# Altium PCB DataDriven_PCB.PcbDoc (part 1 of 3)
Units mil, origin at the board's own origin, x right, y up, seen from the top; angles counter-clockwise.
Board outline 5198.03 x 4870.08 mil, 4 copper layers (Top, GND, PWR, Bottom), stack 59.694 mil thick; 132 components, 92 nets, 564 pads, 527 vias.
Unrouted connection lines stored in the file: 5.
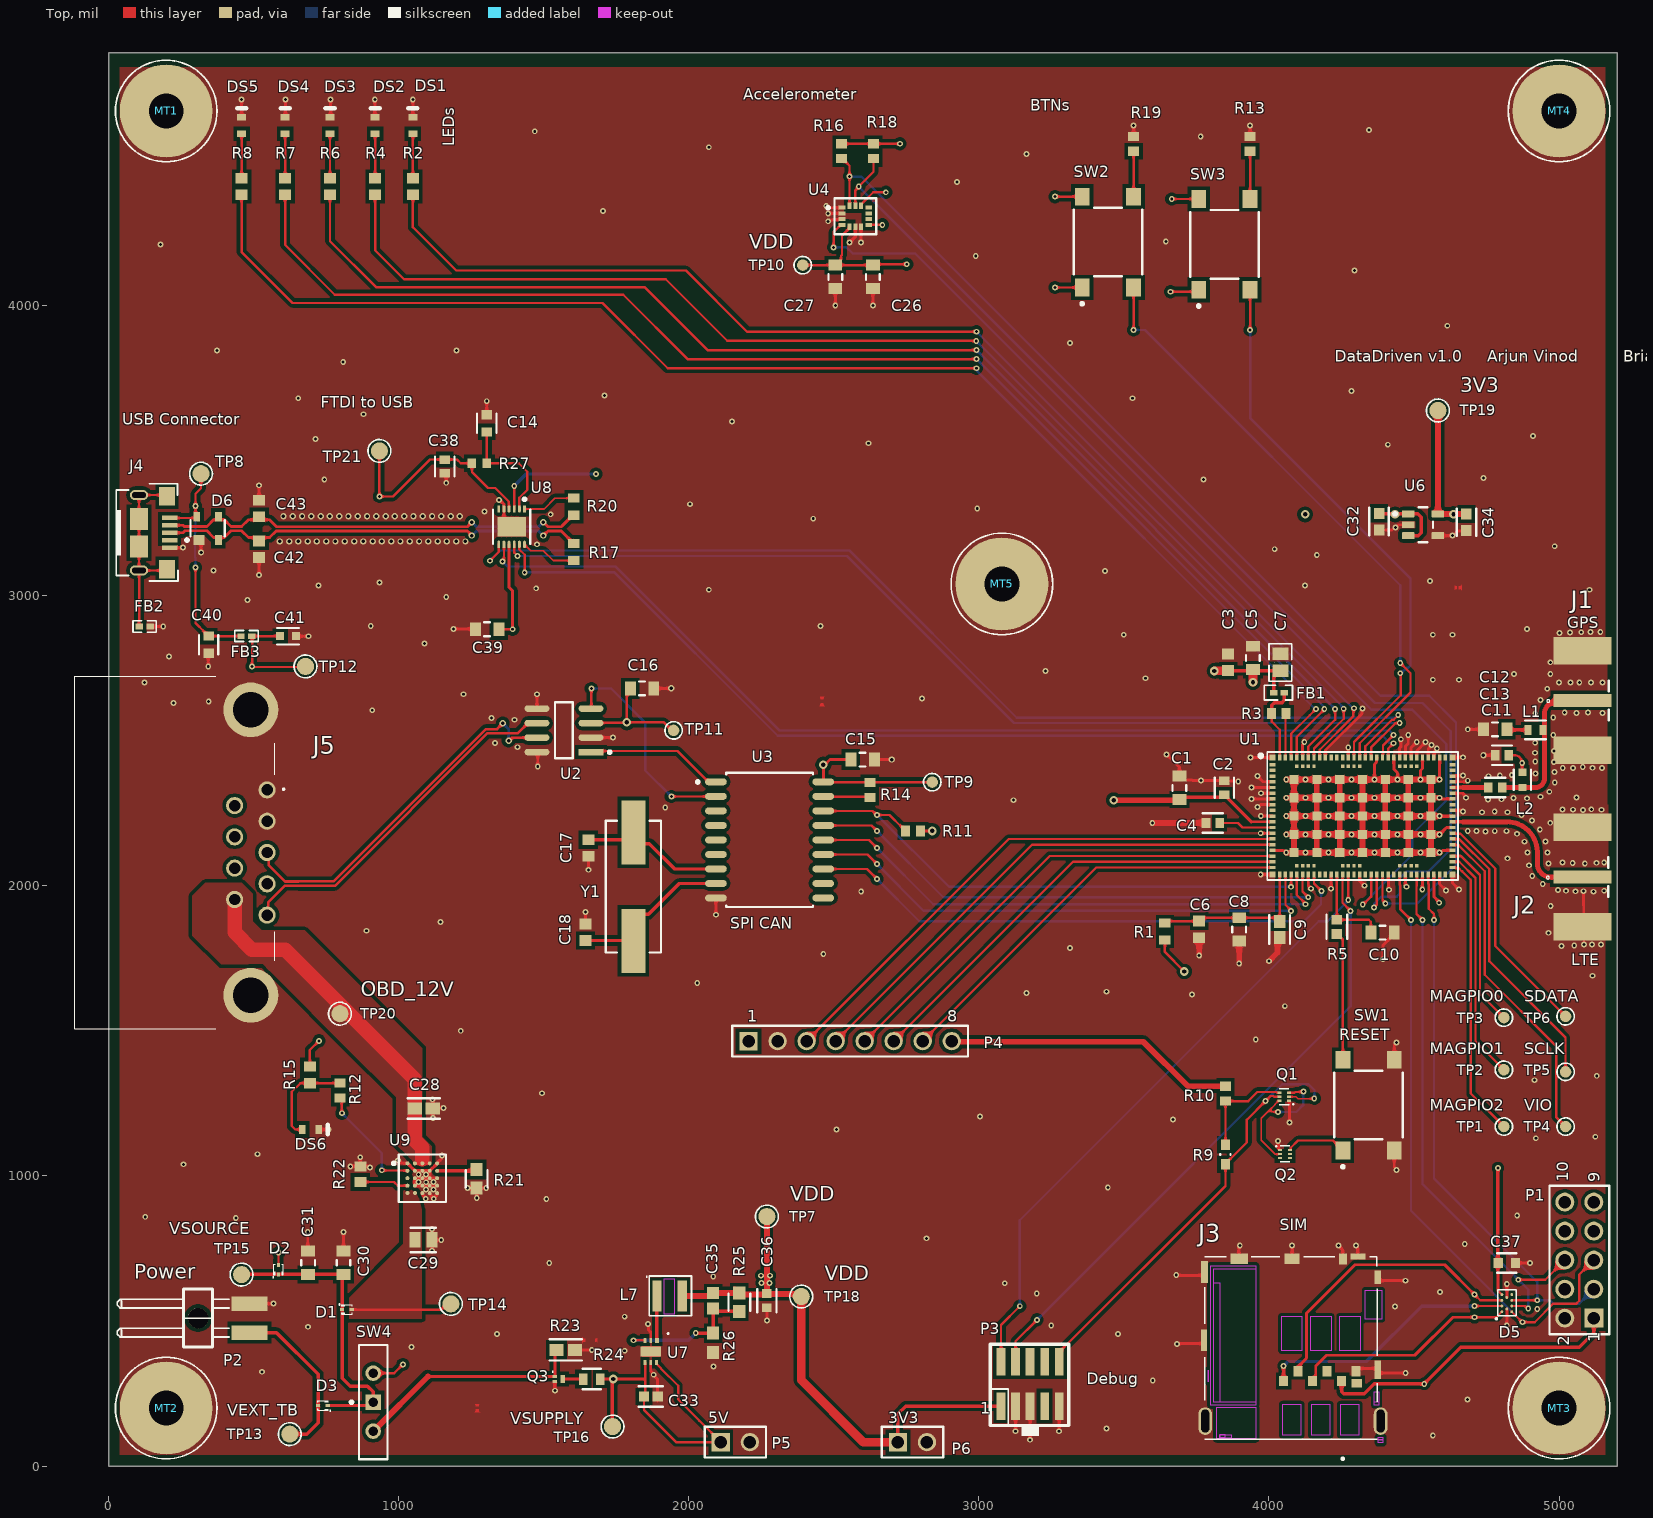
[diagram p0: Top view]
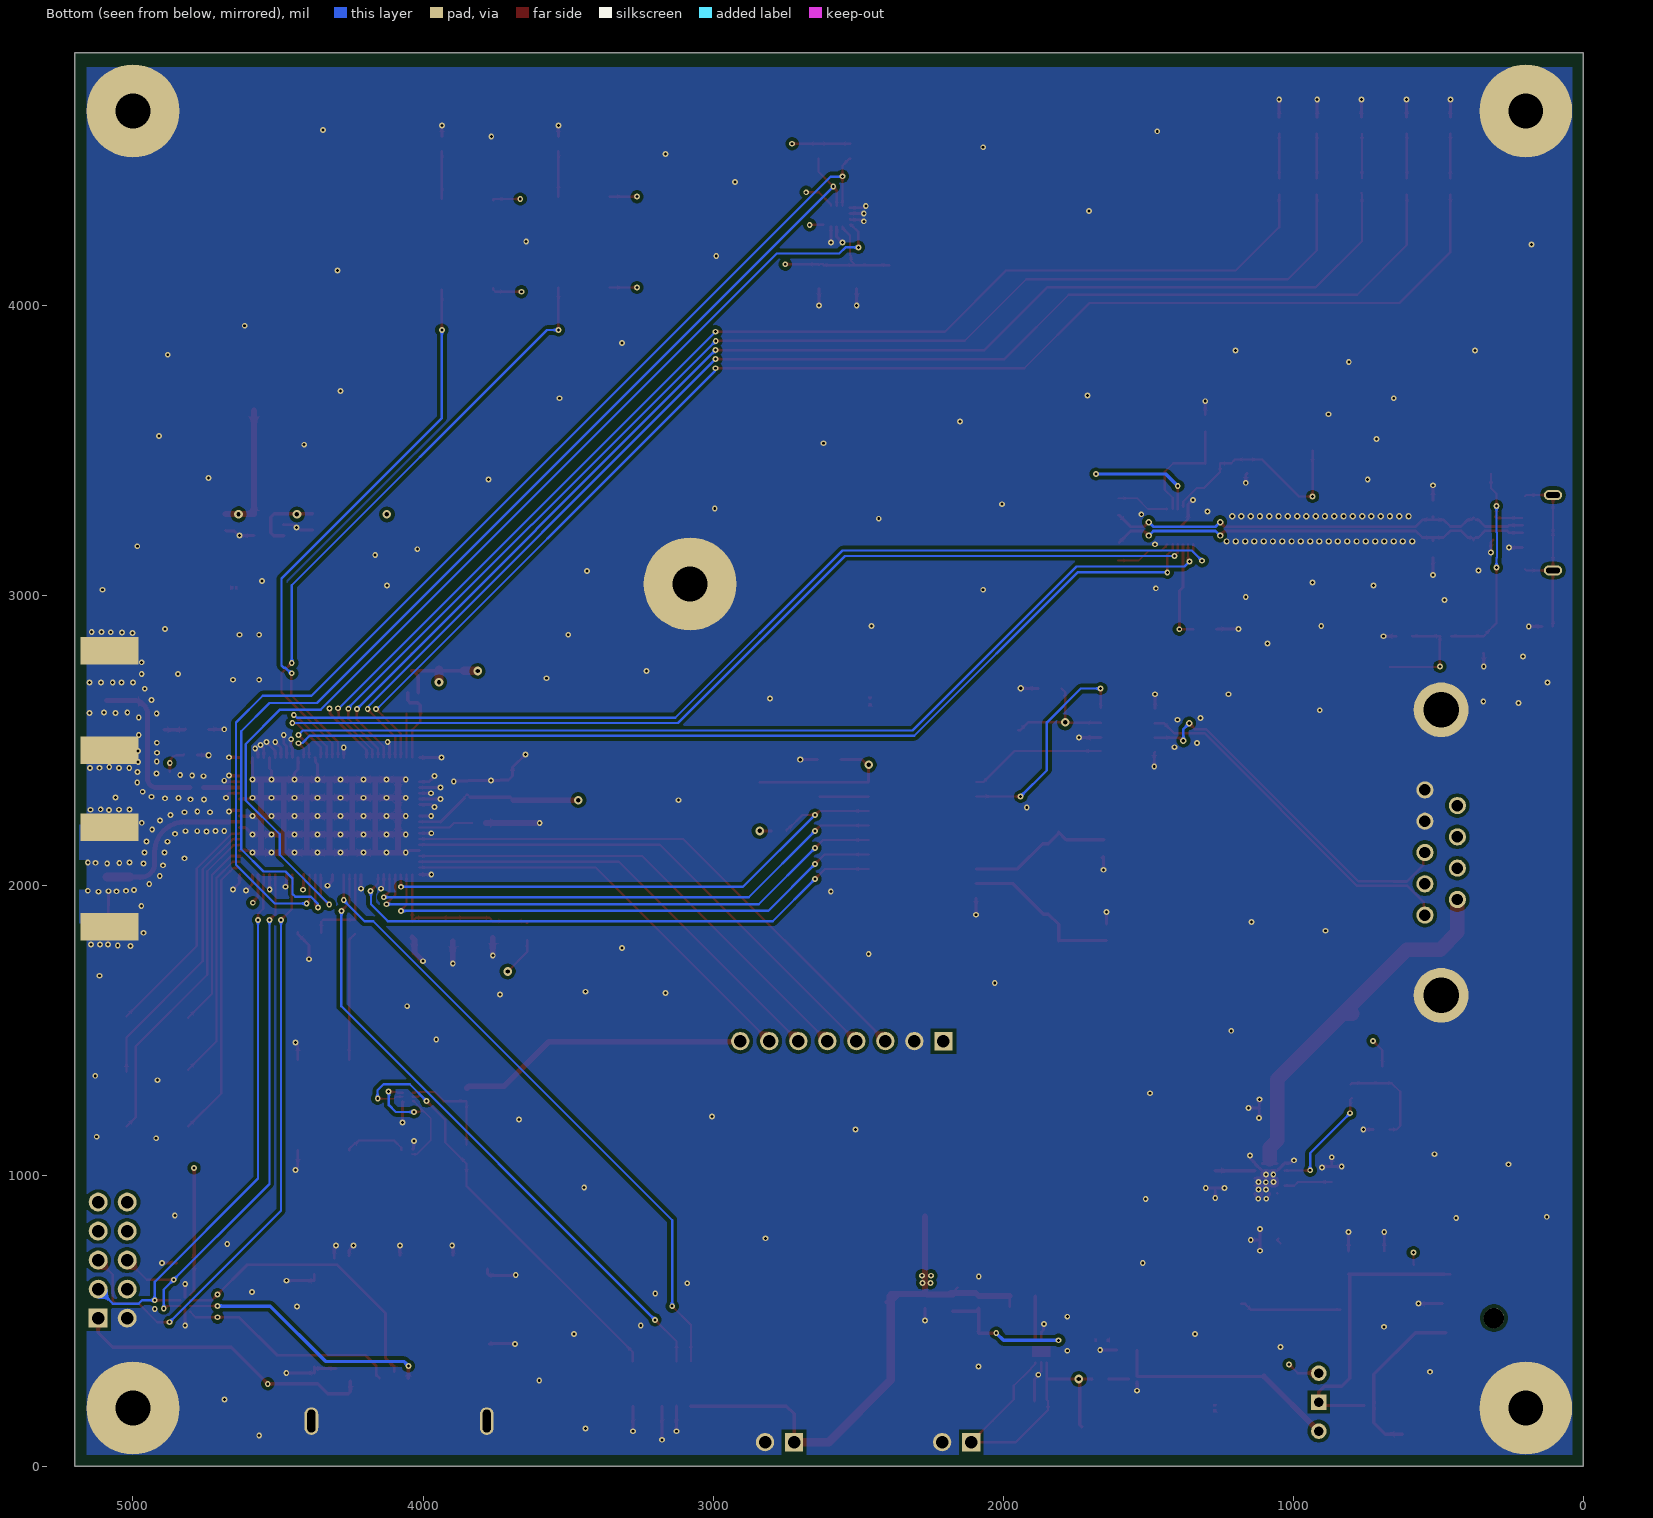
[diagram p1: Bottom view, seen from below]
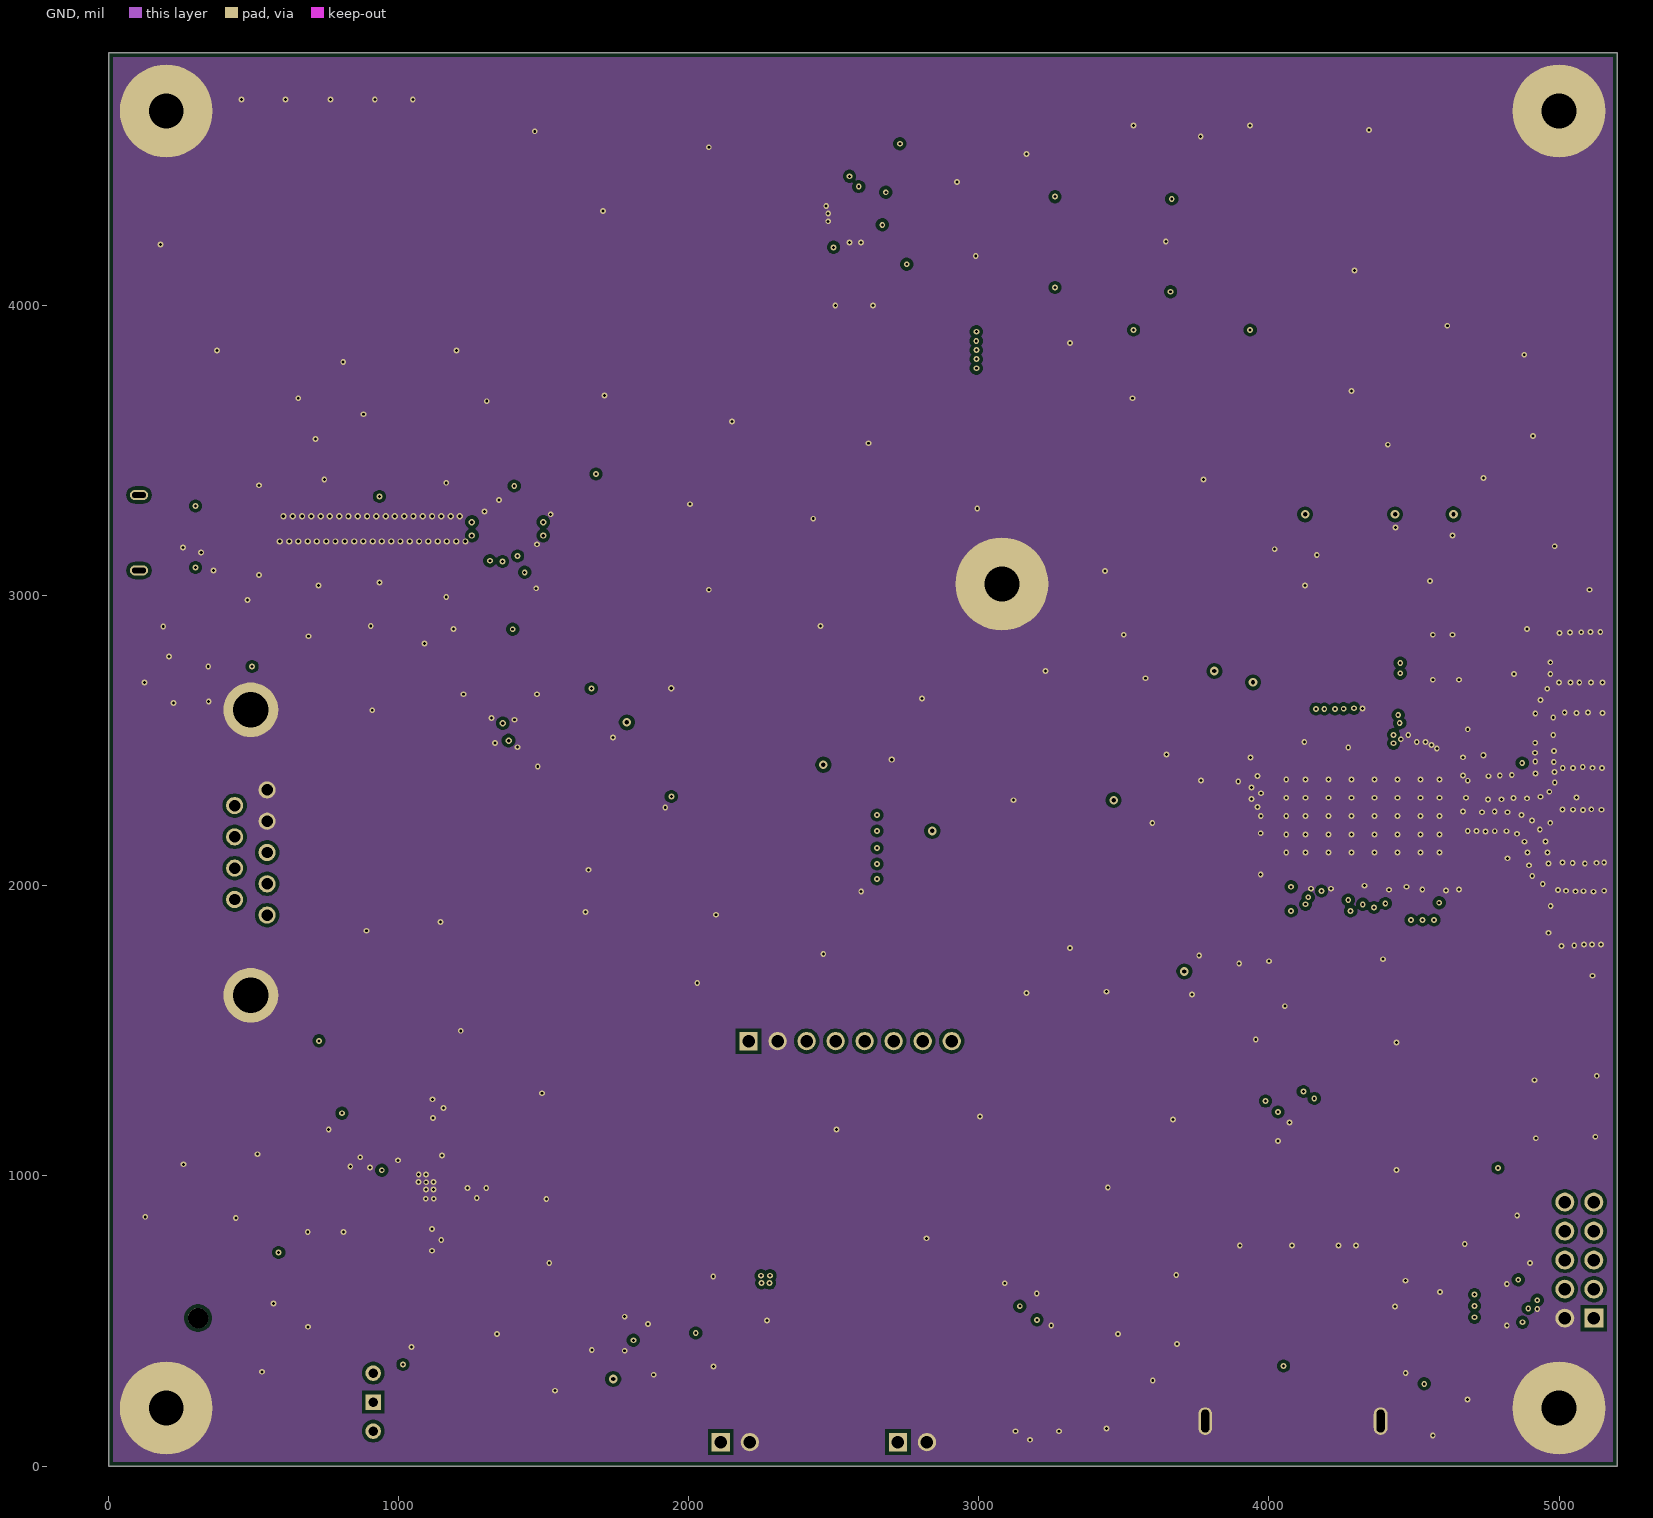
[diagram p2: GND]
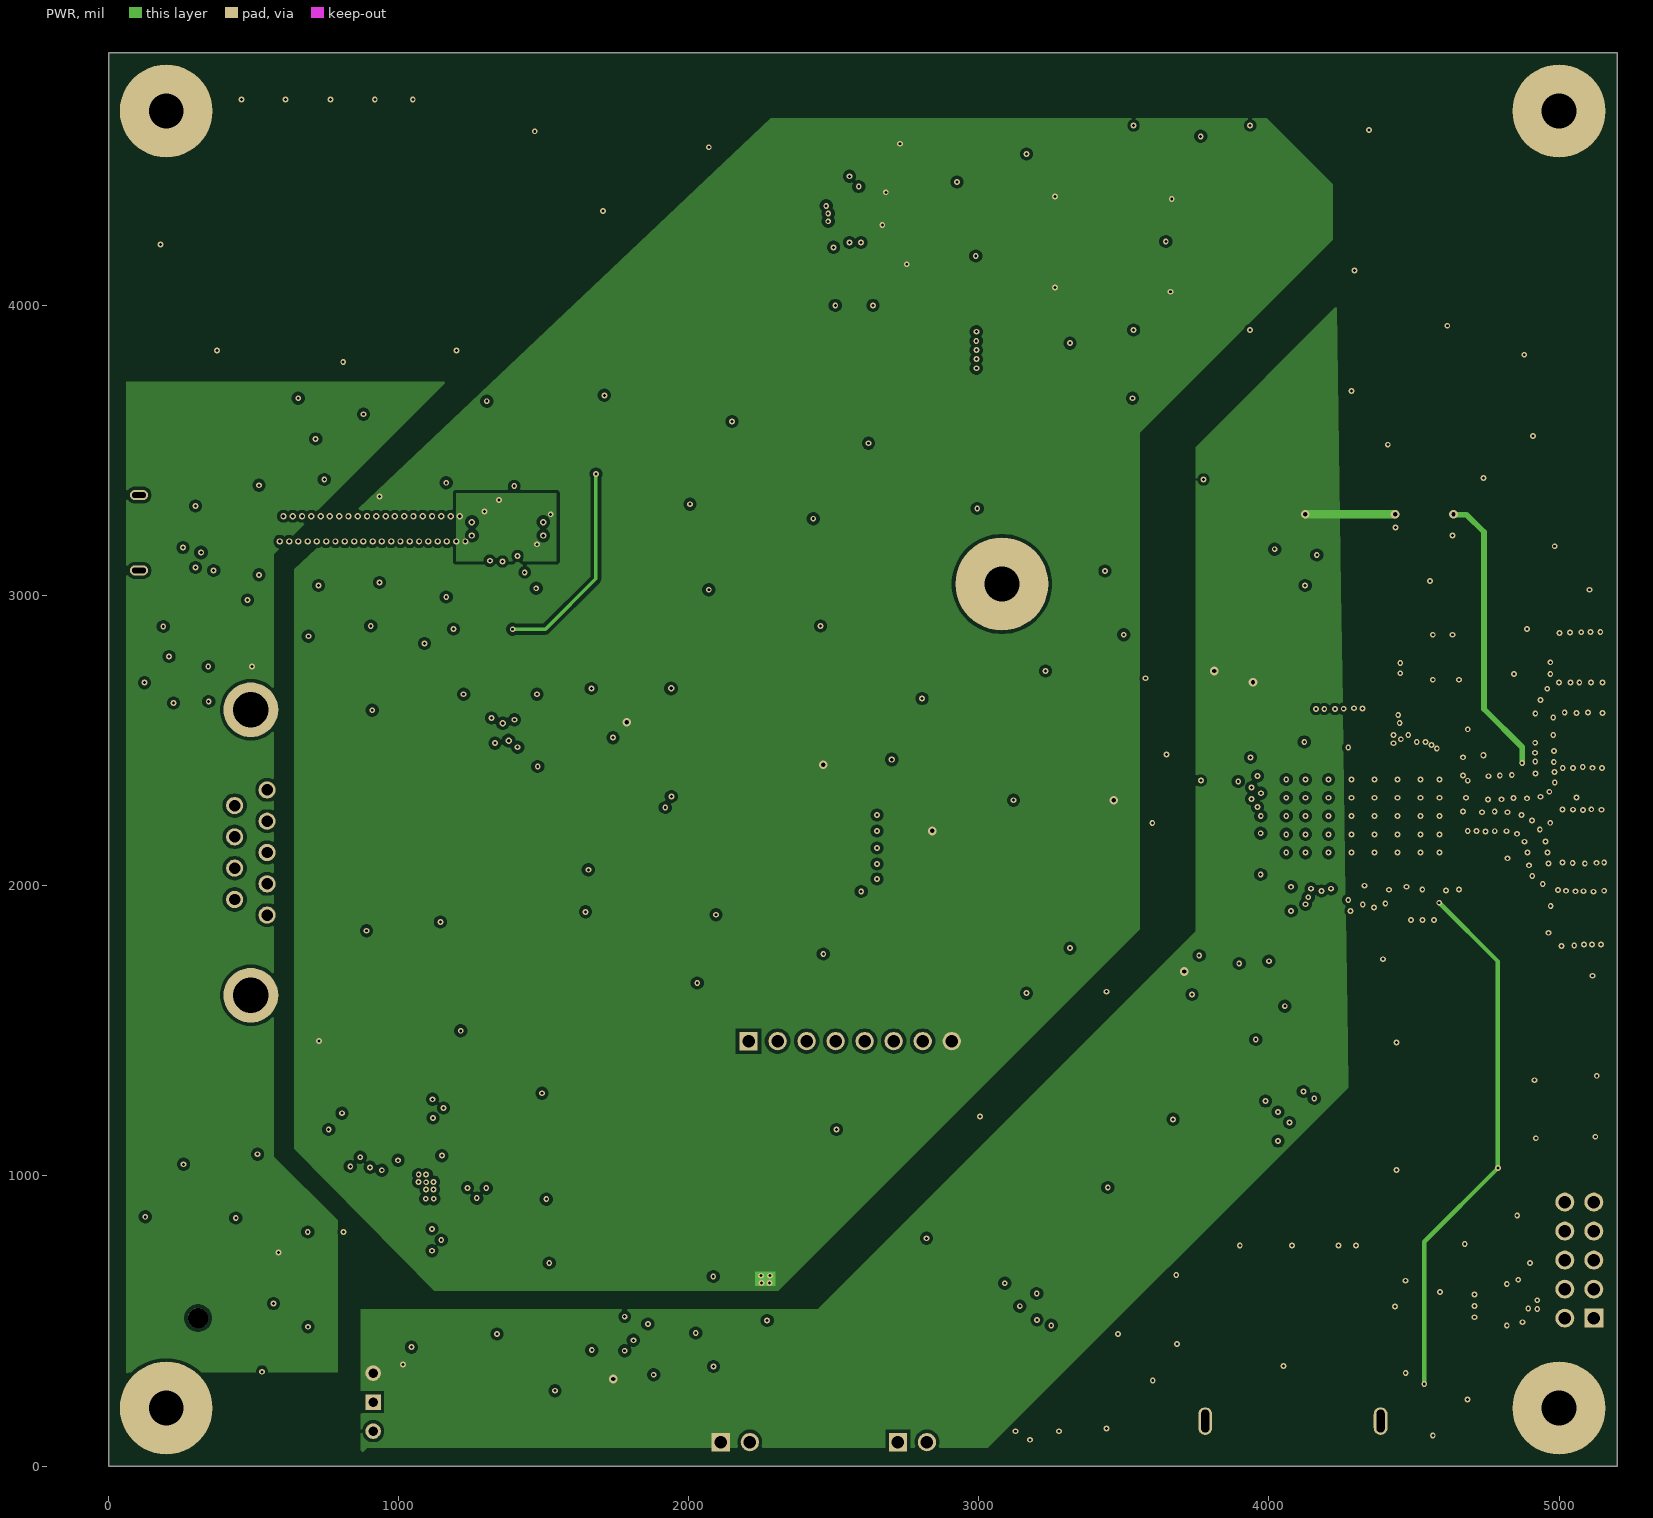
[diagram p3: PWR]
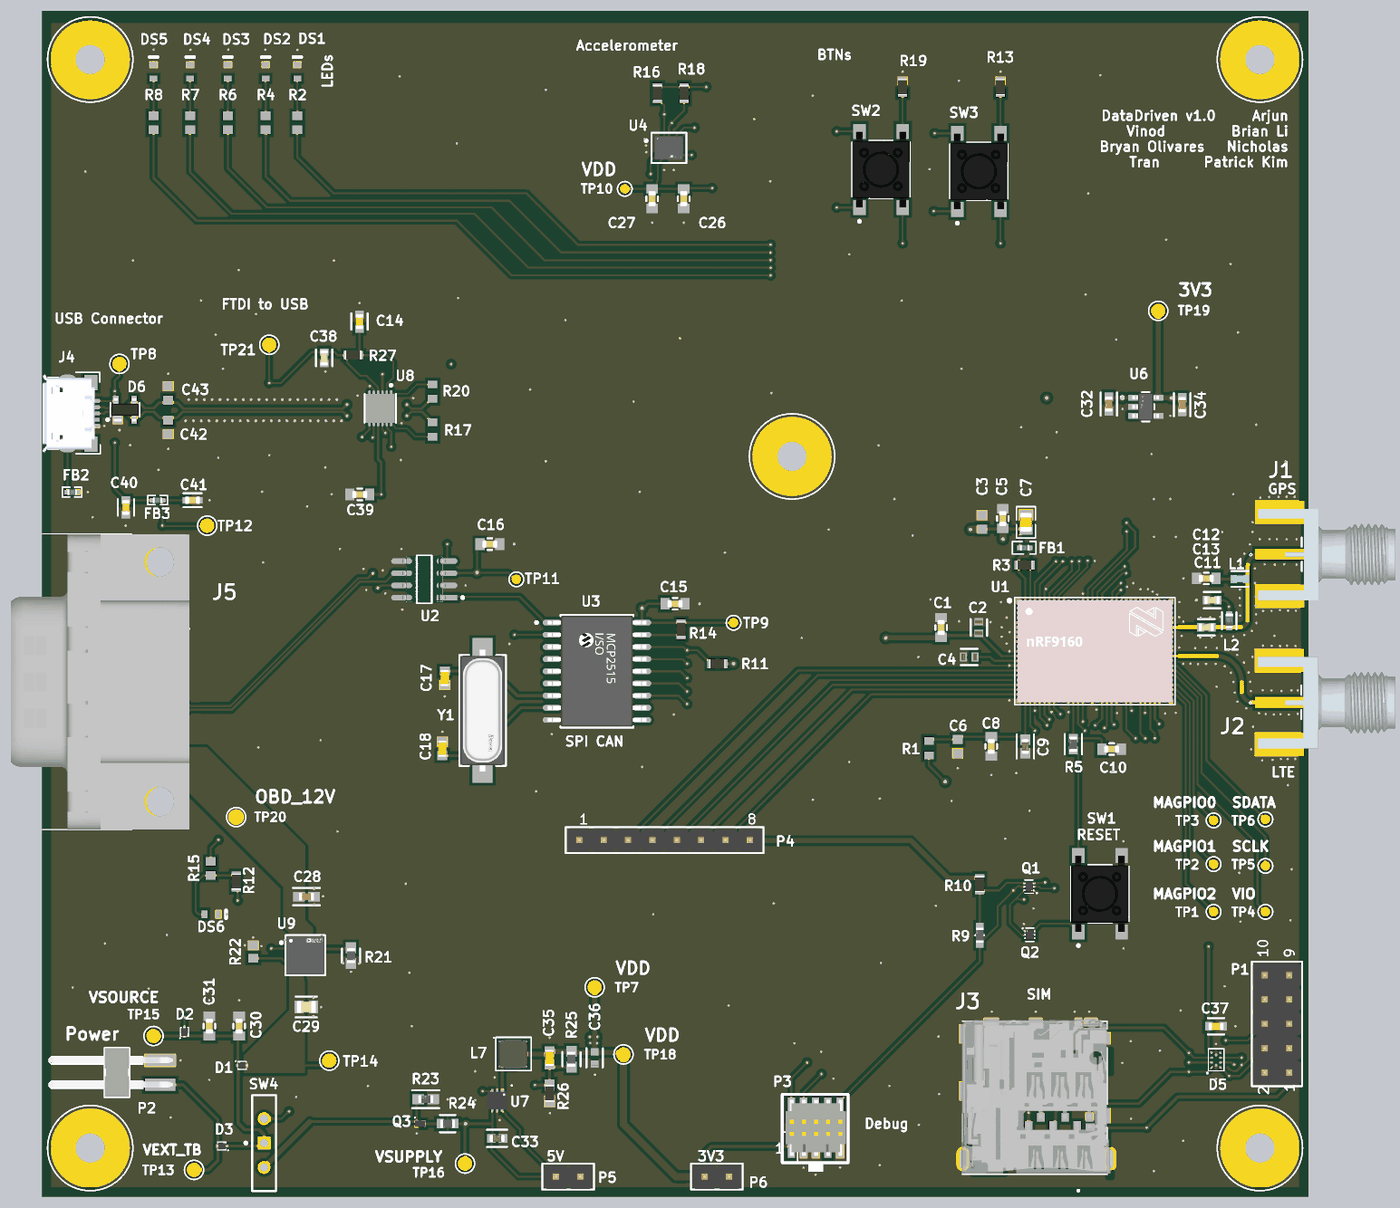
[diagram p6: 3D render of the assembled board from above, using the file's embedded part models]

## Layer stack, top to bottom
Top Solder: solder mask 1, Solder Resist, Dk 3.6
Top: signal copper 1.701
Prepreg 1: prepreg 7.957, FR-4, Dk 3.61
GND: signal copper 0.689
Core: core 39, FR-4, Dk 3.61
PWR: signal copper 0.689
Prepreg 2: prepreg 7.957, FR-4, Dk 3.61
Bottom: signal copper 1.701
Bottom Solder: solder mask 1, Solder Resist, Dk 3.6

## Board outline
1.97,0 5200,0 5200,4870.08 1.97,4870.08

## Design rules (kind name [scope] priority, off if disabled: settings)
AcuteAngle [All] p1 off: minimum=6.00000000000000E+0001 checktracksonly=FALSE
BoardOutlineClearance [All] p1: gap=15 ignorepadtopadclearanceinfootprint=FALSE
Clearance "Clearance Polygons" [InPolygon] p1: gap=12 ignorepadtopadclearanceinfootprint=FALSE
Clearance [All] p2: gap=5 ignorepadtopadclearanceinfootprint=FALSE except(0: Arc-Hole Track-Hole SMDPad-Hole THPad-Hole Via-Hole Fill-Hole Poly-Hole Region-Hole Text-Hole)
ComponentClearance "HM-TRP & UFL" [InComponent('X1') vs InComponent('U1')] p1: gap=0 collisioncheckmode=3 verticalgap=0 showdistances=FALSE
ComponentClearance [All] p2: gap=1 collisioncheckmode=3 verticalgap=1 showdistances=FALSE
DiffPairsRouting USB [InDifferentialPair('USB')] p1: maxlimit=5 minlimit=5 mostfreqgap=5 toplayer_minwidth=9.32 toplayer_maxwidth=9.32 toplayer_prefwidth=9.32 bottomlayer_minwidth=9.32 bottomlayer_maxwidth=9.32 bottomlayer_prefwidth=9.32 impedanceprofiledriven=TRUE impedanceprofileid={DB1F1E00-7CC2-4846-8973-549EBEF40870} impedanceprofilevalue=90.000000 maxuncoupledlength=500
DiffPairsRouting [All] p2: maxlimit=5 minlimit=5 mostfreqgap=5 toplayer_minwidth=9 toplayer_maxwidth=9 toplayer_prefwidth=9 midlayer1_minwidth=9 midlayer1_maxwidth=9 midlayer1_prefwidth=9 midlayer2_minwidth=9 midlayer2_maxwidth=9 midlayer2_prefwidth=9 bottomlayer_minwidth=9 bottomlayer_maxwidth=9 bottomlayer_prefwidth=9 maxuncoupledlength=500
HoleSize [All] p1: absolutevalues=TRUE maxlimit=265 minlimit=10 maxpercent=80.000 minpercent=20.000
HoleToHoleClearance [All] p1: gap=10 allowstackedmicrovias=FALSE
MinimumAnnularRing [All] p1: minimumring=4
MinimumSolderMaskSliver [All] p1: minsoldermaskwidth=0
PlaneClearance [All] p1: clearance=10
PlaneConnect [All] p1: planeconnectstyle=Relief reliefexpansion=4 reliefentries=4 reliefconductorwidth=6 reliefairgap=6
PolygonConnect [All] p1: connectstyle=Direct reliefconductorwidth=10 reliefentries=4 polygonreliefangle="90 Angle" airgapwidth=6
PolygonConnect "Via connect style" [isVia] p2: connectstyle=Relief reliefconductorwidth=10 reliefentries=4 polygonreliefangle="90 Angle" airgapwidth=10
RoutingCorners [All] p1: cornerstyle=45-Degree minsetback=49.21 maxsetback=49.21
RoutingVias [All] p1: holewidth=12 width=22 viastyle="Through Hole" minholewidth=10 minwidth=18 maxholewidth=100 maxwidth=114
SilkToSilkClearance [All] p1: silktosilkclearance=0
SilkToSolderMaskClearance [IsPad] p1: minsilkscreentomaskgap=5 clearancetoexposedcopper=TRUE
SolderMaskExpansion [All] p1: expansion=2.5 istentingtop=FALSE
Width RF [InNetClass('RF')] p1: maxlimit=17 minlimit=12 preferedwidth=17 midlayer1_minwidth=17 midlayer2_minwidth=17 bottomlayer_minwidth=17 minimp=50.000000 maximp=50.000000 favimp=50.000000
Width GND [InNet('GND')] p2: maxlimit=30 minlimit=10 preferedwidth=20
Width Power [InNetClass('Power')] p3: maxlimit=40 minlimit=20 preferedwidth=30
Width 3V3 [InNetClass('3V3')] p4: maxlimit=30 minlimit=10 preferedwidth=20
Width [All] p5: maxlimit=400 minlimit=6 preferedwidth=8
20 further rules are at their usual default settings.

## Classes and differential pairs
net class USB: USB_N USB_P
net class RF: GPS_RF1 GPS_RF2 NetC12_1
differential pair CAN: +CAN_P -CAN_N
differential pair USB: +USB_P -USB_N
